# Altium PCB LTC3829_EVB.PcbDoc (continued)
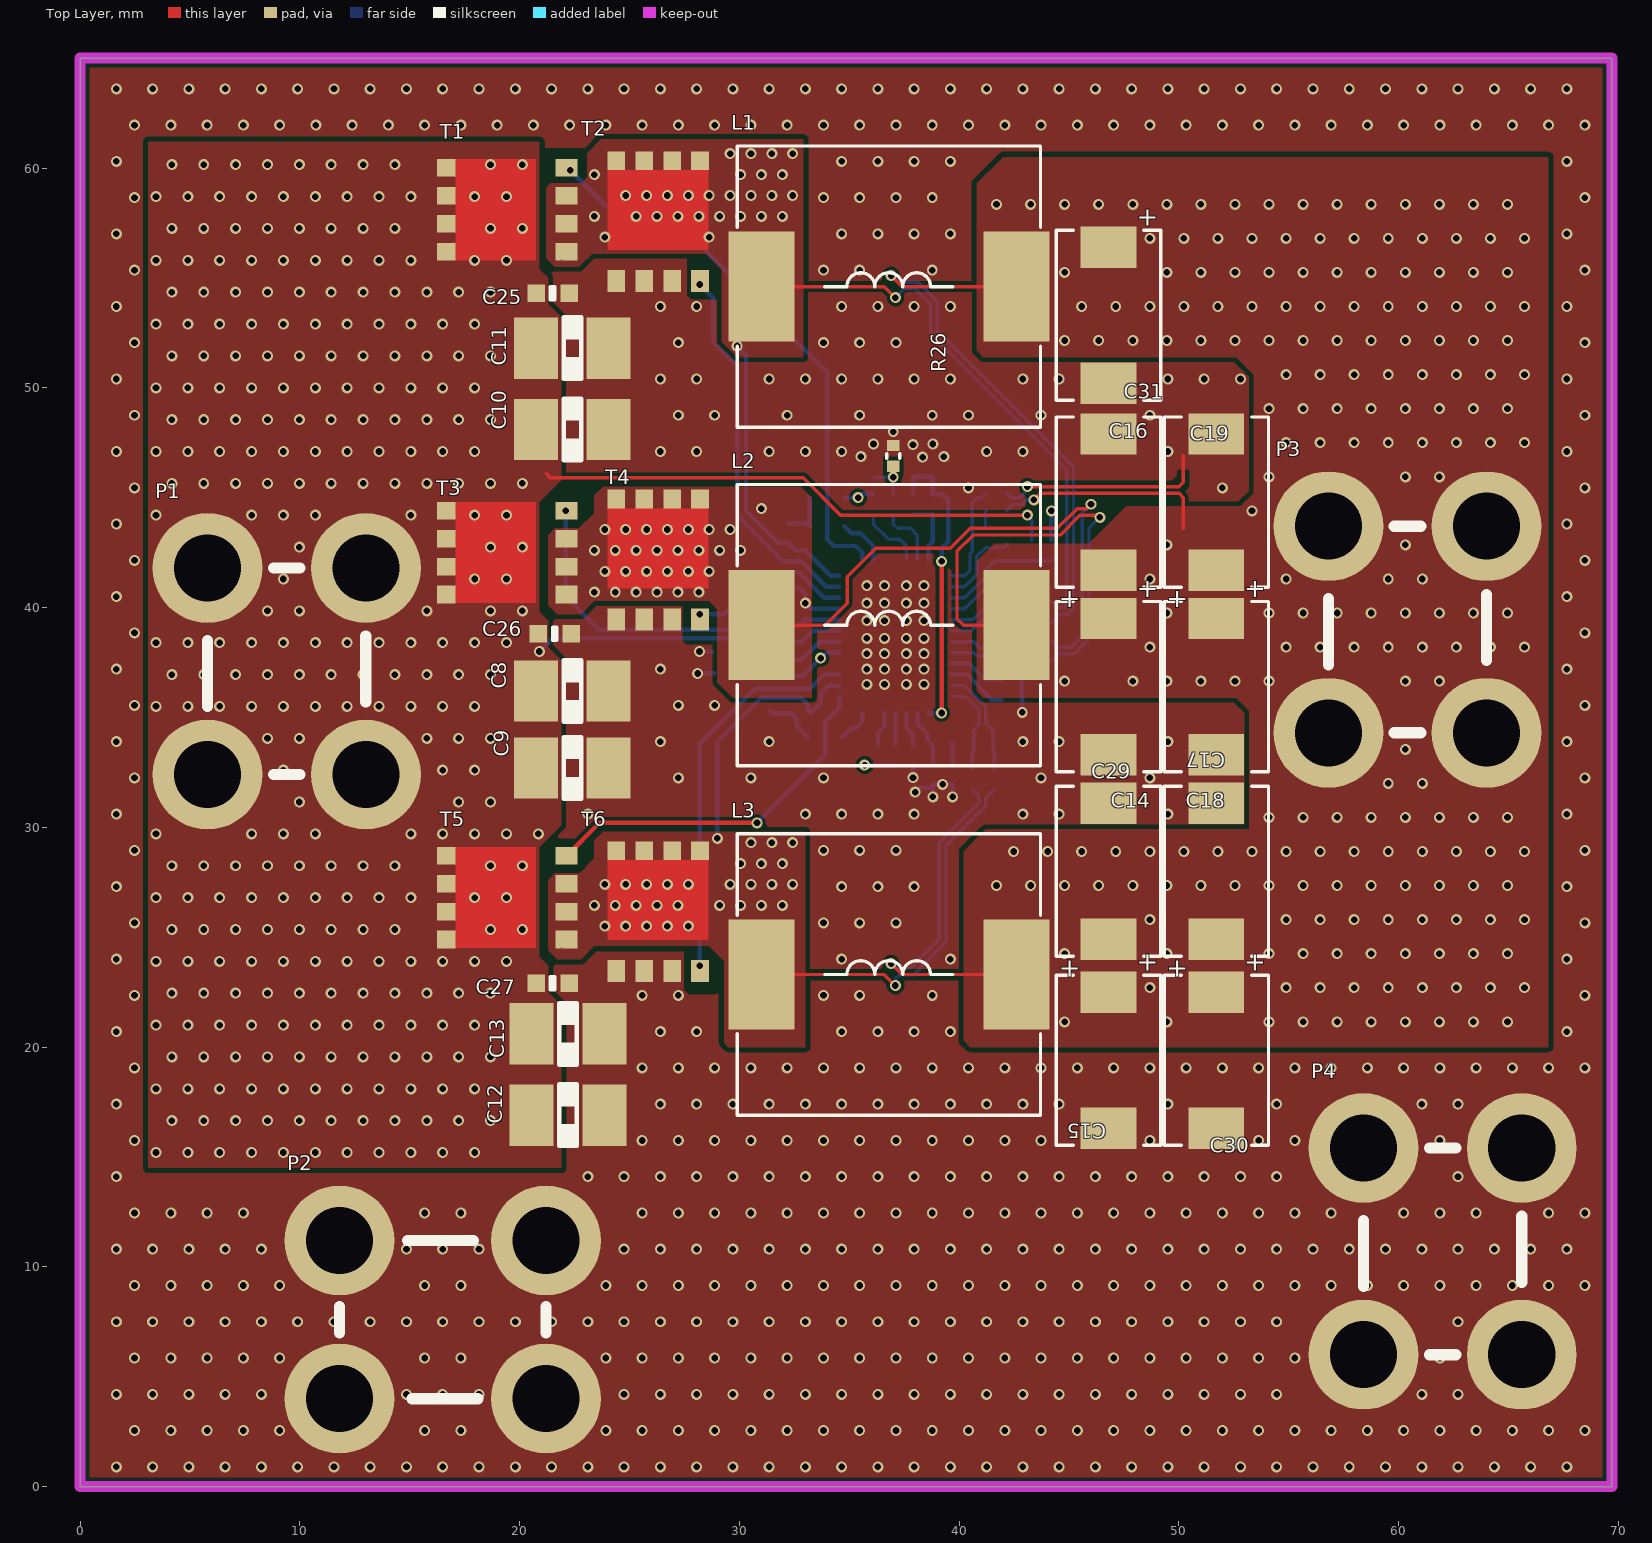
[diagram p0: Top Layer view]
## Components (designator, comment, footprint, x,y, rotation, side; value= is the part's Value field where it differs from the comment)
C1 "10uF" C0603 29.6,37 r180 bottom
C2 "33nF" 0402#1 41.5,39.8 r270 bottom
C3 "100nF" 0402#1 32.2,43.4 r90 bottom
C4 "100nF" 0402#1 32,40.9 r180 bottom
C5 "100nF" 0402#1 32.8,35.2 r180 bottom
C6 "33nF" 0402#1 41.5,38 r270 bottom
C7 "33nF" 0402#1 41.1,33.5 r180 bottom
C8 "10uF" 1210 22.4,36.2 r180 top
C9 "10uF" 1210 22.4,32.7 r180 top
C10 "10uF" 1210 22.4,48.1 r180 top
C11 "10uF" 1210 22.4,51.8 r180 top
C12 "10uF" 1210 22.2,16.9 r180 top
C13 "10uF" 1210 22.2,20.6 r180 top
C14 "330uF" TAJD_AVX 46.8,28 r90 top
C15 "330uF" TAJD_AVX 46.8,19.4 r270 top
C16 "330uF" TAJD_AVX 46.8,44.8 r90 top
C17 "330uF" TAJD_AVX 51.7,36.4 r270 top
C18 "330uF" TAJD_AVX 51.7,28 r90 top
C19 "330uF" TAJD_AVX 51.7,44.8 r90 top
C20 "47pF" 0402#1 37.9,46.4 r270 bottom
C21 "47pF" 0402#1 38.8,44.7 r90 bottom
C22 "3.3nF" 0402#1 39.7,32.4 r90 bottom
C23 "270pF" 0402#1 38.8,32.4 r90 bottom
C24 "33nF" 0402#1 42.4,36.7 r180 bottom
C25 "100nF" C0603 21.5,54.3 r180 top
C26 "100nF" C0603 21.6,38.8 r180 top
C27 "100nF" C0603 21.5,22.9 r180 top
C28 "100nF" 0402#1 29.2,38 r0 bottom
C29 "330uF" TAJD_AVX 46.8,36.4 r270 top
C30 "330uF" TAJD_AVX 51.7,19.4 r270 top
C31 "330uF" TAJD_AVX 46.8,53.3 r270 top
D1 "BAS516" SOD-523 34,45 r0 bottom
D2 "BAS516" SOD-523 30.6,38.8 r270 bottom
D3 "BAS516" SOD-523 31.4,36.1 r90 bottom
L1 "1.0uH" L126X 36.8,54.6 r180 top
L2 "1.0uH" L126X 36.8,39.2 r180 top
L3 "1.0uH" L126X 36.8,23.3 r180 top
P1 "M4_CON" PCBComponent_1 9.4,37.1 r0 top
P2 "M4_CON" PCBComponent_1 16.5,7.6 r90 top
P3 "M4_CON" PCBComponent_1 60.4,39 r0 top
P4 "M4_CON" PCBComponent_1 62,10.7 r180 top
R1 "0R" 0402#2 43.7,40.3 r0 bottom
R2 "0R" 0402#2 42.4,39.8 r90 bottom
R3 "0R" 0603 34,43.7 r180 bottom
R4 "0R" 0603 32.1,39.2 r90 bottom
R5 "0R" 0603 33.9,34.1 r180 bottom
R6 "0R" 0402#2 43.7,38.5 r0 bottom
R7 "0R" 0402#2 42.4,38 r90 bottom
R8 "0R" 0402#2 41.6,32.2 r270 bottom
R9 "0R" 0402#2 41.1,34.4 r0 bottom
R10 "54k9" 0402#2 43.3,42.6 r90 bottom
R11 "54k9" 0402#2 44.2,42.6 r90 bottom
R12 "5k1" 0402#2 38.8,46.4 r270 bottom
R13 "54k9" 0402#2 37.1,33.3 r270 bottom
R14 "33k2" 0402#2 37.9,44.7 r90 bottom
R15 "54k9" 0402#2 42.4,35.8 r0 bottom
R16 "54k9" 0402#2 36.1,44.7 r90 bottom
R17 "2k32" 0402#2 39.2,33.8 r180 bottom
R18 "40k2" 0402#2 37.9,33.3 r90 bottom
R19 "10R" 0402#2 41.7,45.2 r180 bottom
R20 "10R" 0402#2 41.7,44.4 r180 bottom
R21 "0R" 0402#2 41.2,43.2 r270 bottom
R22 "10R" 0603 42.2,42.1 r270 bottom
R23 "100k" 0402#2 36.3,33.3 r270 bottom
R24 "20k" 0402#2 37,44.7 r270 bottom
R25 "49k9" 0402#2 36.1,46.4 r270 bottom
R26 "100k" 0402#2 37,46.9 r270 top
R27 "0R" 0402#2 43.7,39.3 r0 bottom
R28 "0R" 0402#2 43.7,37.5 r0 bottom
R29 "0R" 0402#2 40.6,32.2 r270 bottom
T1 "BSC034N06NS" PQFNWB5x6 19.4,58.1 r180 top
T2 "BSC034N06NS" PQFNWB5x6 26.3,57.6 r90 top
T3 "BSC034N06NS" PQFNWB5x6 19.4,42.5 r180 top
T4 "BSC034N06NS" PQFNWB5x6 26.3,42.2 r90 top
T5 "BSC034N06NS" PQFNWB5x6 19.4,26.8 r180 top
T6 "BSC034N06NS" PQFNWB5x6 26.3,26.2 r90 top
U1 "LTC3829" QFN-38 37.1,38.7 r180 bottom locked

## Footprints (in the part's own frame and the unit in brackets; to place one, negate y for a bottom-side part, rotate by r counter-clockwise, add the part's x,y. Pads: shape width x height; smd on the part's side, far side on the other; paste and mask are expansions set on the pad)
0402#1 [mil]
  rect 22x22 smd: 1(-17.5,0) 2(17.5,0)
  silkscreen extent 0,-8 0,8, body extent -20,-10 20,10, height 20
0402#2 [mil]
  rect 20x22 smd: 1(-18.5,0) 2(18.5,0)
  silkscreen extent -4,-12 4,12, body extent -20,-10 20,10, height 14
0603 [mm]
  rect 0.87x0.93 smd: 1(-0.78,0) 2(0.78,0)
  silkscreen extent -0.2,-0.4 0.2,0.4, body extent -0.85,-0.4 0.85,0.4, height 0.56
1210 [mil]
  rect 78.74x110 smd paste+0 mask+0: 1(-65,0) 2(65,0)
  silkscreen extent -16,-55 16,55, body extent -73,-55 73,55, height 110
C0603 [mm]
  rect 0.8x0.8 smd: 1(-0.75,0) 2(0.75,0)
  silkscreen extent -0.1,-0.3 0.1,0.3, body extent -0.8,-0.4 0.8,0.4, height 0.81
L126X [mm]
  rect 3x5 smd: 1(-5.8,0) 2(5.8,0)
  silkscreen extent -6.9,-6.4 6.9,6.4, body extent -6.44,-6.25 6.46,6.25, height 6.4
PCBComponent_1 [mm]
  round 5 hole 3.05: 1(-3.6,-4.7) 1(-3.6,4.7) 1(3.6,-4.7) 1(3.6,4.7)
  silkscreen extent -3.6,-4.7 3.6,4.7
PQFNWB5x6 [mm]
  rect 1x0.8 smd: 1(-2.738,1.905) 2(-2.738,0.635) 3(-2.738,-0.635) 4(-2.738,-1.905)
  rect 0.85x0.8 smd: 5(2.738,-1.905) 6(2.738,-0.635) 7(2.738,0.635) 8(2.738,1.905)
  Top Layer region: 2.454,2.3 2.2,2.3 2.2,1.5 2.454,1.5
  Top Layer region: -1.338,-2.3 2.312,-2.3 2.312,2.3 -1.338,2.3
  Top Layer region: 2.2,0.235 2.454,0.235 2.454,1.035 2.2,1.035
  Top Layer region: 2.2,-1.035 2.454,-1.035 2.454,-0.235 2.2,-0.235
  Top Layer region: 2.2,-2.3 2.454,-2.3 2.454,-1.5 2.2,-1.5
  Top Layer region: -0.564,-1.166 -0.564,-1.166 -0.564,-1.166 -0.564,-1.166 -0.564,-1.166 -0.564,-1.166 -0.564,-1.166 -0.564,-1.166
  Top Layer region: -0.564,1.166 -0.564,1.166 -0.564,1.166 -0.564,1.166 -0.564,1.166 -0.564,1.166 -0.564,1.166 -0.564,1.166
  body extent -3.07,-2.57 3.08,2.58, height 1
QFN-38 [mm]
  rrect50% 0.95x0.25 smd: 1(-2.55,2.75) 2(-2.55,2.25) 3(-2.55,1.75) 4(-2.55,1.25) 5(-2.55,0.75) 6(-2.55,0.25) 7(-2.55,-0.25) 8(-2.55,-0.75) 9(-2.55,-1.25) 10(-2.55,-1.75) 11(-2.55,-2.25) 12(-2.55,-2.75) 20(2.55,-2.75) 21(2.55,-2.25) 22(2.55,-1.75) 23(2.55,-1.25) 24(2.55,-0.75) 25(2.55,-0.25) 26(2.55,0.25) 27(2.55,0.75) 28(2.55,1.25) 29(2.55,1.75) 30(2.55,2.25) 31(2.55,2.75)
  rrect50% 0.25x0.95 smd: 13(-1.5,-3.5) 14(-1,-3.5) 15(-0.5,-3.5) 16(0,-3.5) 17(0.5,-3.5) 18(1,-3.5) 19(1.5,-3.5) 32(1.5,3.5) 33(1,3.5) 34(0.5,3.5) 35(0,3.5) 36(-0.5,3.5) 37(-1,3.5) 38(-1.5,3.5)
  rrect15% 3.25x5.25 smd: 39(0,0)
  silkscreen extent -3.36,-3.6 3.36,3.6, body extent -2.55,-3.55 2.55,3.55, height 0.8
SOD-523 [mm]
  rect 0.7x0.5 smd: 1(-0.8,0) 2(0.8,0)
  silkscreen extent -0.19,-0.38 0.19,0.38, body extent -0.91,-0.42 0.92,0.42, height 0.71
TAJD_AVX [mm]
  rect 1.88x2.54 smd paste+0 mask+0: 1(-3.1,0) 2(3.1,0)
  silkscreen extent -3.87,-2.37 3.87,2.37, body extent -3.75,-2.25 3.75,2.25, height 3.15

## Part data
C1: library part OUDEIBUN_10uF_25V, "OUDEIBUN / 25V 10% 106K X5R", Mfr.=OUDEIBUN, Mfr. No=106, ComponentLink1Description=taobao, ComponentLink1URL=https://detail.tmall.com/item.htm?abbucket=11&id=610884231672&rn=bfecce7903ee26d41e055cbdf2d2e6eb&skuId=4463564134688&spm=a1z10.3-b.w4011-22147617817.28.ed547d1efUUngR, Price=0.1
C2 C6 C7 C24: library part OBEIDUN_33nF, "0402 33nF 333K 16V X7R", Mfr.=OBEIDUN, Mfr. No=333K, ComponentLink1Description=taobao, ComponentLink1URL=https://detail.tmall.com/item.htm?abbucket=11&id=610643367827&rn=485ffb871bba3336ec56bdf6e40ebf1b&skuId=4293224337085&spm=a1z10.3-b.w4011-22147617817.69.91e77d1e9KkI7E, Price=0.03
C3 C4 C5 C28: library part OBEIDUN_100nF, "0402 100NF 104K  50V X7R", Mfr.=OBEIDUN, Mfr. No=104K, ComponentLink1Description=taobao, ComponentLink1URL=https://detail.tmall.com/item.htm?abbucket=11&id=610169377419&rn=af8cc3c313be083494688299e412f071&skuId=4460562122099&spm=a1z10.3-b.w4011-22147617817.47.43b27d1eVfSLTc, Price=0.03
C8 C9 C10 C11 C12 C13: library part OUBEIDUN_106_X7R, "1210 10UF 106K 100V X7R", Mfr.=OUBEIDUN, Mfr. No=10uF/100V, ComponentLink1Description=taobao, ComponentLink1URL=https://detail.tmall.com/item.htm?_u=q10quk0k91e6&id=610720536810&spm=a1z09.2.0.0.680e2e8dgSrizI&skuId=4470822090146, Price=0.6
C14 C15 C16 C17 C18 C19 C29 C30 C31: library part Auwah_330UF_7343, "T520D337M006ATE010 / 6.3V 330uF 2917 20% ESR=10mOhms", Mfr.=Auwah, Mfr. No=T520D337M006ATE010, ComponentLink1Description=taobao, ComponentLink1URL=https://detail.tmall.com/item.htm?abbucket=13&id=667191138815&rn=40b330837969952154e49a258f1b3980&spm=a1z10.3-b-s.w4011-22886786001.43.16db5d54uS0uXf, Price=1.8
C20 C21: library part taobao_47pF, "47pF 50V C0G CL05C470JB5NN4C", Mfr.=Samsung, Mfr. No=CL05C470JB5NN4C, ComponentLink1Description=taobao, ComponentLink1URL=https://item.taobao.com/item.htm?spm=a1z09.2.0.0.10c82e8dL5BzWq&id=626312006030&_u=l10quk0kec5b, Price=0.03
C22: library part RAINPOLE_3n3F, "RAINPOLE 0402 3.3nF 5% 50V NPO", Mfr.=RAINPOLE, Mfr. No=332J, ComponentLink1Description=taobao, ComponentLink1URL=https://detail.tmall.com/item.htm?abbucket=11&id=577480004200&rn=e81fc7a7675914d6e9f82eba46a12cbb&skuId=3986690931936&spm=a1z10.3-b-s.w4011-12364813249.37.6d9c1ed6XWLE9d, Price=0.04
C23: library part OBEIDUN_270pF, "0402 270PF 50V 271J COG NPO", Mfr.=OBEIDUN, Mfr. No=271J, ComponentLink1Description=taobao, ComponentLink1URL=https://detail.tmall.com/item.htm?_u=i10quk0k236b&id=609326685150&spm=a1z09.2.0.0.485e2e8ddN1cee, Price=0.02
C25 C26 C27: library part OUDEIBUN_100nF, "0603 100NF 50V 10% 104K X7R", Mfr.=OUDEIBUN, Mfr. No=104K, ComponentLink1Description=taobao, ComponentLink1URL=https://detail.tmall.com/item.htm?_u=p10quk0k2f35&id=610651934672&spm=a1z09.2.0.0.77b12e8d9iVia0&skuId=4463522550238, Price=0.025
D1 D2 D3: library part OBEIDUN_BAS516, "SOD-523 100V/250mA", Mfr.=OBEIDUN, Mfr. No=BAS516,61, ComponentLink1Description=taobao, ComponentLink1URL=https://detail.tmall.com/item.htm?abbucket=11&id=627344864030&rn=9e03fb0dc0c82be40d648479edaa9265&skuId=4457291933929&spm=a1z10.3-b.w4011-22147617817.46.572e7d1eRfO8kn, Price=0.14
L1 L2 L3: library part L1260_102, "HC1260 1R0M", Mfr.=HuiCi, Mfr. No=EPC1265_1R0, ComponentLink1Description=taobao, ComponentLink1URL=https://item.taobao.com/item.htm?id=727903070323&spm=a1z0d.6639537/tb.1997196601.22.15e27484tAONUM&skuId=5218005750787, Price=1.4
P1 P2 P3 P4: Mfr.=LFX, Mfr. No=PCB-10-4, ComponentLink1Description=taobao, ComponentLink1URL=https://item.taobao.com/item.htm?spm=a1z09.2.0.0.45712e8dxvwLo5&id=531030902005&_u=s10quk0k994a, Price=0.41
R1 R2 R6 R7 R8 R9 R21 R27 R28 R29: library part OUDEIBUN_0R, "OUDEIBUN / 0R 1% 1/16W", Mfr.=OUDEIBUN, ComponentLink1Description=taobao, ComponentLink1URL=https://detail.tmall.com/item.htm?abbucket=11&id=609078082053&rn=dd22835191e181ef543cf6f0827e8de3&spm=a1z10.3-b.w4011-22147617817.40.1e787d1eBkSpf5&skuId=4447040574382, Mfr. No=0R, Price=0.02
R3 R4 R5: "0R 1/10W +/-1%", Mfr.=UNIOHM, ComponentLink1Description=taobao, ComponentLink1URL=https://item.taobao.com/item.htm?spm=a1z10.3-c-s.w4002-24706531953.10.66736a4boyPN1N&id=584519288165, Mfr. No=0R, Price=0.016
R10 R11 R13 R15 R16: library part OUDEIBUN_54k9, "OUDEIBUN / 54k9 1% 1/16W", Mfr.=OUDEIBUN, ComponentLink1Description=taobao, ComponentLink1URL=https://detail.tmall.com/item.htm?_u=o10quk0kdcf3&id=656225085848&spm=a1z09.2.0.0.570c2e8dmKgpe8&skuId=4738665253533, Mfr. No=54k9, Price=0.02
R12: library part UNIOHM_5k1, "UNIOHM / 5k1 1% 1/16W", Mfr.=UNIOHM, ComponentLink1Description=taobao, ComponentLink1URL=https://item.taobao.com/item.htm?spm=a1z10.3-c-s.w4002-24706531953.9.138b6a4bJ0dszP&id=525568819310, Mfr. No=5k1, Price=0.012
R14: library part OUDEIBUN_33k2, "OUDEIBUN / 33k2 1% 1/16W", Mfr.=OUDEIBUN, ComponentLink1Description=taobao, ComponentLink1URL=https://detail.tmall.com/item.htm?_u=o10quk0kba15&id=656995123026&skuId=4912165283327&spm=a1z09.2.0.0.570c2e8dmKgpe8, Mfr. No=33k2, Price=0.02
R17: library part OUDEIBUN_2k32, "OUDEIBUN / 1% 2k32", Mfr.=OUDEIBUN, ComponentLink1Description=taobao, ComponentLink1URL=https://detail.tmall.com/item.htm?abbucket=11&id=656536146329&rn=bf53b30befa5ed8f787b08dfd1b2b8b6&spm=a1z10.3-b.w4011-22147617817.17.25bf7d1eVTNJfJ&skuId=4738244393253, Mfr. No=2k32, Price=0.02
R18: library part UNIOHM_40k2, "UNIOHM / 40k2 1% 1/16W", Mfr.=UNIOHM, ComponentLink1Description=taobao, ComponentLink1URL=https://item.taobao.com/item.htm?spm=a1z10.3-c-s.w4002-24706531953.9.4cff6a4bFcr7uh&id=525646732568, Mfr. No=40k2, Price=0.012
R19 R20: library part OUDEIBUN_10R, "OUDEIBUN / 10R 1% 1/16W", Mfr.=OUDEIBUN, ComponentLink1Description=taobao, ComponentLink1URL=https://detail.tmall.com/item.htm?abbucket=13&id=609079314556&rn=b6a4437db4d3682110499690578ce2c9&spm=a1z10.3-b.w4011-22147617817.60.4da17d1eMkQQ60&skuId=4279701997786, Mfr. No=10R, Price=0.02
R22: library part ARG03DTC0100, "10R 1/10W +/-0.5%", Mfr.=Viking, ComponentLink1Description=taobao, ComponentLink1URL=https://item.taobao.com/item.htm?spm=a1z09.2.0.0.6e162e8dlKCeMq&id=632526730087&_u=c10quk0k836f, Mfr. No=ARG03DTC0100, Price=0.044
R23 R26: library part OUDEIBUN_100k, "OUDEIBUN / 1% 100k", Mfr.=UNIOHM, ComponentLink1Description=taobao, ComponentLink1URL=https://detail.tmall.com/item.htm?abbucket=11&id=608928061564&rn=6cabffb4bef601fc6d0198b0cb480a08&spm=a1z10.3-b.w4011-22147617817.51.20d47d1eFEZrXW&skuId=4280827589222, Mfr. No=100k, Price=0.02
R24: library part OUDEIBUN_20k, "OUDEIBUN / 20k 1% 1/16W", Mfr.=OUDEIBUN, ComponentLink1Description=taobao, ComponentLink1URL=https://detail.tmall.com/item.htm?_u=310quk0k3cbb&id=656218957556&skuId=4912158475127&spm=a1z09.2.0.0.d5442e8dvaKsoM, Mfr. No=20k, Price=0.02
R25: library part OUDEIBUN_49k9, "OUDEIBUN / 1% 49k9", Mfr.=OUDEIBUN, ComponentLink1Description=taobao, ComponentLink1URL=https://detail.tmall.com/item.htm?id=656225085848&spm=a1z0d.6639537/tb.1997196601.28.44b47484EuWcRC&skuId=4738665253528, Mfr. No=49k9, Price=0.02
T1 T2 T3 T4 T5 T6: "MPower Transistor, 60V", Mfr.="Infineon Technologies", ComponentLink1Description=taobao, ComponentLink1URL=https://detail.tmall.com/item.htm?abbucket=12&id=712516353118&ns=1&spm=a21n57.1.0.0.5a70523ceCAuo0&skuId=4992670365636, Mfr. No=BSC034N06NS, Price=4.5
U1: library part LTC3829EUHFPBF, "3-Phase, Single Output Synchronous / Step-Down DC/DC Controller with Diffamp", Mfr.="Analog Devices Inc", ComponentLink1Description=taobao, ComponentLink1URL=https://item.taobao.com/item.htm?id=679551160665&spm=a1z0d.6639537/tb.1997196601.14.6d377484hToNF8&sku_properties=1627207:426840251, Mfr. No=LTC3829, Price=24

## Via types
v1: diameter 0.5, hole 0.3, Top Layer to Bottom Layer, tented both sides, 1247 vias

## Nets (pads, with @x,y where several pads share a name; then routed paths per layer and width w, separated by ;. In a path a pad name is that pad's centre, name@x,y a point inside that pad or via, vN(x,y) a via of type N, cw(c..) or ccw(c..) an arc to the next point about the centre after c; other vN are vias at no path point)
INTVCC: C1.1 C28.2 D1.2 D2.2 D3.2 R13.2 R16.2 R23.2 U1.24 | length 22.9
  Layer 2 w0.203: v1(35.4,45) 33.7,43.3 v1(33.7,37.7) 33.7,34.83 v1(35.7,32.83)
  Bottom Layer w0.203: C28.2 D2.2 30.6,37.05 30.45,36.9 D3.2 ; D3.2@31.6,36.9 32.9,36.9 v1(33.7,37.7) 33.95,37.95 U1.24 ; D1.2 v1(35.4,45) 35.57,45.17 R16.2 ; v1(35.7,32.83) R23.2 R13.2
IS1+: C2.1 R1.1 R2.2 U1.5 | length 3.9
  Bottom Layer w0.152: U1.5 40.619,39.45 41.413,40.245 C2.1 42.375,40.245 R2.2 43.2,40.27 R1.1
IS1-: C2.2 R2.1 R27.1 U1.6 | length 3.9
  Bottom Layer w0.152: U1.6 40.55,38.95 41.1,39.5 41.356,39.5 C2.2 42.375,39.356 R2.1 43.2,39.33 R27.1
IS2+: C6.1 R6.1 R7.2 U1.7 | length 3.8
  Bottom Layer w0.152: U1.7 40.653,38.45 40.947,38.156 41.211,38.156 C6.1 42.375,38.445 R7.2 43.2,38.47 R6.1
IS2-: C6.2 R7.1 R28.1 U1.8 | length 3.8
  Bottom Layer w0.152: U1.8 40.65,37.95 40.8,37.8 41.256,37.8 C6.2 42.375,37.556 R7.1 43.2,37.53 R28.1
IS3+: C7.1 R8.1 R9.2 U1.11 | length 5
  Bottom Layer w0.152: U1.11 40.25,36.45 41.205,35.495 41.205,34.765 R9.2 41.544,34.375 C7.1 41.6,33.445 R8.1
IS3-: C7.2 R9.1 R29.1 U1.12 | length 4.3
  Bottom Layer w0.152: U1.12 40.319,35.95 40.9,35.369 40.9,34.67 R9.1 40.655,34.375 C7.2 40.6,33.445 R29.1
LPO+: C14.1 C15.1 C16.1 C17.1 C18.1 C19.1 C29.1 C30.1 C31.1 L1.1 L2.1 L3.1 P3.1 R20.1 R27.2 R28.2 R29.2 | length 73.6
  Top Layer w0.152: v1(36.9,23.8) 37.4,23.3 L3.1 ; v1(36.9,55.1) 37.4,54.6 L1.1 ; L2.1 40.2,39.2 39.9,39.5 39.9,42.569 40.631,43.3 44.6,43.3 45.495,44.195 46.305,44.195 v1(46.4,44.1) ; v1(43.4,44.9) 43.695,45.195 50.005,45.195 50.2,45 50.2,43.6
  Bottom Layer w0.152: v1(36.9,23.8) 37.1,23.6 37.8,23.6 39.095,24.895 39.095,29.295 40.9,31.1 40.9,31.43 R29.2 ; v1(36.9,55.1) 37.2,54.8 38.131,54.8 39.005,53.926 39.005,52.595 45.205,46.395 45.205,39.974 44.926,39.695 44.565,39.695 R27.2 ; R20.1 42.462,44.692 42.873,44.692 43.081,44.9 v1(43.4,44.9) ; R28.2 44.565,37.895 45.226,37.895 45.905,38.574 45.905,43.605 v1(46.4,44.1)
  other v1: 44.8,21.15 49.45,21.15 54.1,21.15 55.65,21.15 57.2,21.15 58.75,21.15 60.3,21.15 61.85,21.15 63.4,21.15 64.95,21.15 48.675,22.7 54.875,22.7 56.425,22.7 57.975,22.7 59.525,22.7 61.075,22.7 62.625,22.7 64.175,22.7 65.725,22.7 44.8,24.25 49.45,24.25 54.1,24.25 55.65,24.25 57.2,24.25 58.75,24.25 60.3,24.25 61.85,24.25 63.4,24.25 64.95,24.25 48.675,25.8 54.875,25.8 56.425,25.8 57.975,25.8 59.525,25.8 61.075,25.8 62.625,25.8 64.175,25.8 65.725,25.8 41.7,27.35 43.25,27.35 44.8,27.35 46.35,27.35 47.9,27.35 49.45,27.35 51,27.35 52.55,27.35 54.1,27.35 55.65,27.35 57.2,27.35 58.75,27.35 60.3,27.35 61.85,27.35 63.4,27.35 64.95,27.35 42.475,28.9 44.025,28.9 45.575,28.9 47.125,28.9 48.675,28.9 50.225,28.9 51.775,28.9 53.325,28.9 54.875,28.9 56.425,28.9 57.975,28.9 59.525,28.9 61.075,28.9 62.625,28.9 64.175,28.9 65.725,28.9 54.1,30.45 55.65,30.45 57.2,30.45 58.75,30.45 60.3,30.45 61.85,30.45 63.4,30.45 64.95,30.45 59.525,32 61.075,32 60.3,33.55 44.8,36.65 47.9,36.65 49.45,36.65 51,36.65 52.55,36.65 54.1,36.65 60.3,36.65 61.85,36.65 48.675,38.2 54.875,38.2 56.425,38.2 57.975,38.2 59.525,38.2 61.075,38.2 62.625,38.2 64.175,38.2 65.725,38.2 49.45,39.75 54.1,39.75 55.65,39.75 57.2,39.75 58.75,39.75 60.3,39.75 61.85,39.75 63.4,39.75 64.95,39.75 48.675,41.3 54.875,41.3 59.525,41.3 61.075,41.3 49.45,42.85 60.3,42.85 53.325,44.4 54.1,45.95 60.3,45.95 61.85,45.95 54.875,47.5 56.425,47.5 57.975,47.5 59.525,47.5 61.075,47.5 62.625,47.5 64.175,47.5 65.725,47.5 54.1,49.05 55.65,49.05 57.2,49.05 58.75,49.05 60.3,49.05 61.85,49.05 63.4,49.05 64.95,49.05 54.875,50.6 56.425,50.6 57.975,50.6 59.525,50.6 61.075,50.6 62.625,50.6 64.175,50.6 65.725,50.6 44.8,52.15 46.35,52.15 47.9,52.15 49.45,52.15 51,52.15 52.55,52.15 54.1,52.15 55.65,52.15 57.2,52.15 58.75,52.15 60.3,52.15 61.85,52.15 63.4,52.15 64.95,52.15 45.575,53.7 47.125,53.7 48.675,53.7 50.225,53.7 51.775,53.7 53.325,53.7 54.875,53.7 56.425,53.7 57.975,53.7 59.525,53.7 61.075,53.7 62.625,53.7 64.175,53.7 65.725,53.7 44.8,55.25 49.45,55.25 51,55.25 52.55,55.25 54.1,55.25 55.65,55.25 57.2,55.25 58.75,55.25 60.3,55.25 61.85,55.25 63.4,55.25 64.95,55.25 48.675,56.8 50.225,56.8 51.775,56.8 53.325,56.8 54.875,56.8 56.425,56.8 57.975,56.8 59.525,56.8 61.075,56.8 62.625,56.8 64.175,56.8 65.725,56.8 41.7,58.35 43.25,58.35 44.8,58.35 46.35,58.35 47.9,58.35 49.45,58.35 51,58.35 52.55,58.35 54.1,58.35 55.65,58.35 57.2,58.35 58.75,58.35 60.3,58.35 61.85,58.35 63.4,58.35 64.95,58.35
LPO-: C1.2 C8.1 C9.1 C10.1 C11.1 C12.1 C13.1 C14.2 C15.2 C16.2 C17.2 C18.2 C19.2 C20.1 C22.1 C23.1 C24.1 C25.1 C26.1 C27.1 C28.1 C29.2 C30.2 C31.2 P2.1 P4.1 R11.2 R12.1 R15.2 R18.1 R19.1 R25.1 R26.1 T2.1 T2.2 T2.3 T4.1 T4.2 T4.3 T6.1 T6.2 T6.3 U1.39 | length 17.4
  Top Layer w0.152: v1(43.1,45.5) 50,45.5 50.2,45.7 50.2,46.9
  Bottom Layer w0.152: R19.1 42.37,45 42.75,45 43.1,45.35 v1(43.1,45.5)
  Bottom Layer w0.203: v1(28.1,37) C1.2 ; v1(28.186,38) C28.1 ; v1(37.9,32.26) R18.1 ; v1(38,31.6) 38.2,31.8 38.644,31.8 C23.1 ; v1(38.8,31.386) C23.1 ; v1(39.7,31.386) C22.1 v1(39.25,31.956) C23.1 ; C24.1 42.845,35.825 R15.2 v1(42.87,35.23) ; R11.2 v1(44.2,44.4)
  other v1: 1.65,0.9 3.3,0.9 4.95,0.9 6.6,0.9 8.25,0.9 9.9,0.9 11.55,0.9 13.2,0.9 14.85,0.9 16.5,0.9 18.15,0.9 19.8,0.9 21.45,0.9 23.1,0.9 24.75,0.9 26.4,0.9 28.05,0.9 29.7,0.9 31.35,0.9 33,0.9 34.65,0.9 36.3,0.9 37.95,0.9 39.6,0.9 41.25,0.9 42.9,0.9 44.55,0.9 46.2,0.9 47.85,0.9 49.5,0.9 51.15,0.9 52.8,0.9 54.45,0.9 56.1,0.9 57.75,0.9 59.4,0.9 61.05,0.9 62.7,0.9 64.35,0.9 66,0.9 67.65,0.9 2.475,2.55 4.125,2.55 5.775,2.55 7.425,2.55 9.075,2.55 15.675,2.55 17.325,2.55 23.925,2.55 25.575,2.55 27.225,2.55 28.875,2.55 30.525,2.55 32.175,2.55 33.825,2.55 35.475,2.55 37.125,2.55 38.775,2.55 40.425,2.55 42.075,2.55 43.725,2.55 45.375,2.55 47.025,2.55 48.675,2.55 50.325,2.55 51.975,2.55 53.625,2.55 55.275,2.55 56.925,2.55 58.575,2.55 60.225,2.55 61.875,2.55 63.525,2.55 65.175,2.55 66.825,2.55 68.475,2.55 1.65,4.2 3.3,4.2 4.95,4.2 6.6,4.2 8.25,4.2 14.85,4.2 16.5,4.2 18.15,4.2 24.75,4.2 26.4,4.2 28.05,4.2 29.7,4.2 31.35,4.2 33,4.2 34.65,4.2 36.3,4.2 37.95,4.2 39.6,4.2 41.25,4.2 42.9,4.2 44.55,4.2 46.2,4.2 47.85,4.2 49.5,4.2 51.15,4.2 52.8,4.2 54.45,4.2 61.05,4.2 62.7,4.2 2.475,5.85 4.125,5.85 5.775,5.85 7.425,5.85 9.075,5.85 15.675,5.85 17.325,5.85 23.925,5.85 25.575,5.85 27.225,5.85 28.875,5.85 30.525,5.85 32.175,5.85 33.825,5.85 35.475,5.85 37.125,5.85 38.775,5.85 40.425,5.85 42.075,5.85 43.725,5.85 45.375,5.85 47.025,5.85 48.675,5.85 50.325,5.85 51.975,5.85 53.625,5.85 55.275,5.85 61.875,5.85 1.65,7.5 3.3,7.5 4.95,7.5 6.6,7.5 8.25,7.5 9.9,7.5 11.55,7.5 13.2,7.5 14.85,7.5 16.5,7.5 18.15,7.5 19.8,7.5 21.45,7.5 23.1,7.5 24.75,7.5 26.4,7.5 28.05,7.5 29.7,7.5 31.35,7.5 33,7.5 34.65,7.5 36.3,7.5 37.95,7.5 39.6,7.5 41.25,7.5 42.9,7.5 44.55,7.5 46.2,7.5 47.85,7.5 49.5,7.5 51.15,7.5 52.8,7.5 54.45,7.5 62.7,7.5 2.475,9.15 4.125,9.15 5.775,9.15 7.425,9.15 9.075,9.15 15.675,9.15 17.325,9.15 23.925,9.15 25.575,9.15 27.225,9.15 28.875,9.15 30.525,9.15 32.175,9.15 33.825,9.15 35.475,9.15 37.125,9.15 38.775,9.15 40.425,9.15 42.075,9.15 43.725,9.15 45.375,9.15 47.025,9.15 48.675,9.15 50.325,9.15 51.975,9.15 53.625,9.15 55.275,9.15 56.925,9.15 58.575,9.15 60.225,9.15 61.875,9.15 63.525,9.15 65.175,9.15 66.825,9.15 68.475,9.15 1.65,10.8 3.3,10.8 4.95,10.8 6.6,10.8 8.25,10.8 14.85,10.8 16.5,10.8 18.15,10.8 24.75,10.8 26.4,10.8 28.05,10.8 29.7,10.8 31.35,10.8 33,10.8 34.65,10.8 36.3,10.8 37.95,10.8 39.6,10.8 41.25,10.8 42.9,10.8 44.55,10.8 46.2,10.8 47.85,10.8 49.5,10.8 51.15,10.8 52.8,10.8 54.45,10.8 56.1,10.8 57.75,10.8 59.4,10.8 61.05,10.8 62.7,10.8 64.35,10.8 66,10.8 67.65,10.8 2.475,12.45 4.125,12.45 5.775,12.45 7.425,12.45 15.675,12.45 17.325,12.45 25.575,12.45 27.225,12.45 28.875,12.45 30.525,12.45 32.175,12.45 33.825,12.45 35.475,12.45 37.125,12.45 38.775,12.45 40.425,12.45 42.075,12.45 43.725,12.45 45.375,12.45 47.025,12.45 48.675,12.45 50.325,12.45 51.975,12.45 53.625,12.45 55.275,12.45 56.925,12.45 60.225,12.45 61.875,12.45 63.525,12.45 66.825,12.45 68.475,12.45 1.65,14.1 23.1,14.1 24.75,14.1 26.4,14.1 28.05,14.1 29.7,14.1 31.35,14.1 33,14.1 34.65,14.1 36.3,14.1 37.95,14.1 39.6,14.1 41.25,14.1 42.9,14.1 44.55,14.1 46.2,14.1 47.85,14.1 49.5,14.1 51.15,14.1 52.8,14.1 54.45,14.1 62.7,14.1 2.475,15.75 25.575,15.75 27.225,15.75 28.875,15.75 30.525,15.75 32.175,15.75 33.825,15.75 35.475,15.75 37.125,15.75 38.775,15.75 40.425,15.75 42.075,15.75 43.725,15.75 48.675,15.75 53.625,15.75 55.275,15.75 61.875,15.75 1.65,17.4 26.4,17.4 28.05,17.4 29.7,17.4 31.35,17.4 33,17.4 34.65,17.4 36.3,17.4 37.95,17.4 39.6,17.4 41.25,17.4 42.9,17.4 44.55,17.4 49.5,17.4 54.45,17.4 61.05,17.4 62.7,17.4 2.475,19.05 25.575,19.05 27.225,19.05 28.875,19.05 30.525,19.05 32.175,19.05 33.825,19.05 35.475,19.05 37.125,19.05 38.775,19.05 40.425,19.05 42.075,19.05 43.725,19.05 45.375,19.05 47.025,19.05 48.675,19.05 50.325,19.05 51.975,19.05 53.625,19.05 55.275,19.05 56.925,19.05 58.575,19.05 60.225,19.05 61.875,19.05 63.525,19.05 65.175,19.05 66.825,19.05 68.475,19.05 1.65,20.7 26.4,20.7 28.05,20.7 34.65,20.7 36.3,20.7 37.95,20.7 39.6,20.7 67.65,20.7 2.475,22.35 25.575,22.35 27.225,22.35 33.825,22.35 35.475,22.35 38.775,22.35 68.475,22.35 1.65,24 34.65,24 39.6,24 67.65,24 2.475,25.65 33.825,25.65 35.475,25.65 37.125,25.65 68.475,25.65 1.65,27.3 34.65,27.3 36.3,27.3 37.95,27.3 67.65,27.3 2.475,28.95 33.825,28.95 35.475,28.95 37.125,28.95 68.475,28.95 1.65,30.6 23.1,30.6 33,30.6 34.65,30.6 36.3,30.6 37.95,30.6 42.9,30.6 44.55,30.6 49.5,30.6 67.65,30.6 2.475,32.25 27.225,32.25 30.525,32.25 33.825,32.25 43.725,32.25 48.675,32.25 68.475,32.25 1.65,33.9 26.4,33.9 31.35,33.9 42.9,33.9 44.55,33.9 49.5,33.9 67.65,33.9 2.475,35.55 27.225,35.55 28.875,35.55 68.475,35.55 35.8,36.5 36.6,36.5 37.6,36.5 38.4,36.5 1.65,37.2 26.4,37.2 35.8,37.2 36.6,37.2 37.6,37.2 38.4,37.2 67.65,37.2 35.8,37.9 36.6,37.9 37.6,37.9 38.4,37.9 35.8,38.6 36.6,38.6 37.6,38.6 38.4,38.6 2.475,38.85 68.475,38.85 35.8,39.4 36.6,39.4 37.6,39.4 38.4,39.4 35.8,40.2 36.6,40.2 37.6,40.2 38.4,40.2 1.65,40.5 67.65,40.5 35.8,41 36.6,41 37.6,41 38.4,41 2.475,42.15 68.475,42.15 1.65,43.8 67.65,43.8 2.475,45.45 40.425,45.45 51.975,45.45 68.475,45.45 38.337,46.845 35.53,46.87 39.3,46.87 1.65,47.1 26.4,47.1 28.05,47.1 31.35,47.1 33,47.1 34.65,47.1 41.25,47.1 42.9,47.1 49.5,47.1 67.65,47.1 37.9,47.414 36.1,47.44 38.8,47.44 37,48 2.475,48.75 27.225,48.75 28.875,48.75 32.175,48.75 35.475,48.75 38.775,48.75 40.425,48.75 43.725,48.75 48.675,48.75 68.475,48.75 1.65,50.4 26.4,50.4 28.05,50.4 31.35,50.4 33,50.4 34.65,50.4 36.3,50.4 37.95,50.4 39.6,50.4 42.9,50.4 44.55,50.4 49.5,50.4 51.15,50.4 52.8,50.4 67.65,50.4 2.475,52.05 27.225,52.05 33.825,52.05 35.475,52.05 37.125,52.05 68.475,52.05 1.65,53.7 26.4,53.7 28.05,53.7 34.65,53.7 36.3,53.7 37.95,53.7 39.6,53.7 67.65,53.7 2.475,55.35 33.825,55.35 35.475,55.35 38.775,55.35 68.475,55.35 1.65,57 34.65,57 36.3,57 37.95,57 39.6,57 67.65,57 2.475,58.65 33.825,58.65 35.475,58.65 37.125,58.65 38.775,58.65 68.475,58.65 1.65,60.3 34.65,60.3 36.3,60.3 37.95,60.3 39.6,60.3 67.65,60.3 2.475,61.95 4.125,61.95 5.775,61.95 7.425,61.95 9.075,61.95 10.725,61.95 12.375,61.95 14.025,61.95 15.675,61.95 17.325,61.95 18.975,61.95 20.625,61.95 22.275,61.95 23.925,61.95 25.575,61.95 27.225,61.95 28.875,61.95 30.525,61.95 32.175,61.95 33.825,61.95 35.475,61.95 37.125,61.95 38.775,61.95 40.425,61.95 42.075,61.95 43.725,61.95 45.375,61.95 47.025,61.95 48.675,61.95 50.325,61.95 51.975,61.95 53.625,61.95 55.275,61.95 56.925,61.95 58.575,61.95 60.225,61.95 61.875,61.95 63.525,61.95 65.175,61.95 66.825,61.95 68.475,61.95 1.65,63.6 3.3,63.6 4.95,63.6 6.6,63.6 8.25,63.6 9.9,63.6 11.55,63.6 13.2,63.6 14.85,63.6 16.5,63.6 18.15,63.6 19.8,63.6 21.45,63.6 23.1,63.6 24.75,63.6 26.4,63.6 28.05,63.6 29.7,63.6 31.35,63.6 33,63.6 34.65,63.6 36.3,63.6 37.95,63.6 39.6,63.6 41.25,63.6 42.9,63.6 44.55,63.6 46.2,63.6 47.85,63.6 49.5,63.6 51.15,63.6 52.8,63.6 54.45,63.6 56.1,63.6 57.75,63.6 59.4,63.6 61.05,63.6 62.7,63.6 64.35,63.6 66,63.6 67.65,63.6
NetC3_1: C3.1 L1.2 R1.2 T1.1 T1.2 T1.3 T2.5 T2.6 T2.7 T2.8 U1.31 | length 38.7
  Top Layer w0.152: L1.2 36.6,54.6 v1(37.1,54.1)
  Bottom Layer w0.152: v1(37.1,54.1) 37.495,54.495 38.005,54.495 38.7,53.8 38.7,52.469 44.9,46.269 44.9,40.1 44.8,40 44.47,40 R1.2
  Bottom Layer w0.203: v1(29.9,51.9) 30.3,51.5 30.3,44.4 31.745,42.956 C3.1 32.556,42.6 33,42.6 34.15,41.45 U1.31
  other v1: 23.875,56.85 28.625,56.85 23.4,57.8 25.3,57.8 26.25,57.8 27.2,57.8 28.15,57.8 29.1,57.8 30.05,57.8 31,57.8 31.95,57.8 24.825,58.75 25.775,58.75 26.725,58.75 27.675,58.75 28.625,58.75 29.575,58.75 30.525,58.75 31.475,58.75 32.425,58.75 23.4,59.7 30.05,59.7 31,59.7 31.95,59.7 29.575,60.65 30.525,60.65 31.475,60.65 32.425,60.65
NetC3_2: C3.2 D1.1 R3.2 | length 2.4
  Bottom Layer w0.203: C3.2 33.076,43.845 R3.2@33.2,43.72 ; D1.1 R3.2@33.2,43.72 ; R3.2 R3.2@33.2,43.72
NetC4_1: C4.1 L2.2 R6.2 T3.1 T3.2 T3.3 T4.5 T4.6 T4.7 T4.8 U1.28 | length 28.6
  Top Layer w0.152: L2.2 33.9,39.2 34.9,40.2 34.9,41.4 36.2,42.7 39.6,42.7 40.505,43.605 44.474,43.605 45.369,44.5 45.8,44.5 v1(46,44.7)
  Bottom Layer w0.152: R6.2 44.47,38.2 45.1,38.2 45.6,38.7 45.6,44.3 v1(46,44.7)
  Bottom Layer w0.203: C4.1 32.7,40.9 33,40.6 v1(33,40.2) 33.25,39.95 U1.28
  other v1: 23.4,40.7 24.35,40.7 25.3,40.7 26.25,40.7 27.2,40.7 28.15,40.7 23.875,41.65 24.825,41.65 25.775,41.65 26.725,41.65 27.675,41.65 28.625,41.65 23.4,42.6 24.35,42.6 25.3,42.6 26.25,42.6 27.2,42.6 28.15,42.6 29.1,42.6 30.05,42.6 23.875,43.55 24.825,43.55 25.775,43.55 26.725,43.55 27.675,43.55 28.625,43.55 29.575,43.55 31,44.5
NetC4_2: C4.2 D2.1 R4.2 | length 2.8
  Bottom Layer w0.203: D2.1 30.8,39.8 31.92,39.8 R4.2 31.7,40.38 31.7,40.756 C4.2
NetC5_1: C5.1 L3.2 R8.2 T5.1 T5.2 T5.3 T6.5 T6.6 T6.7 T6.8 U1.21 | length 29.5
  Top Layer w0.152: L3.2 36.6,23.3 v1(37.1,22.8)
  Bottom Layer w0.152: v1(37.1,22.8) 37.1,23.1 37.295,23.295 37.926,23.295 39.4,24.769 39.4,29.169 41.205,30.974 41.205,31.335 R8.2
  Bottom Layer w0.203: v1(29,29.5) 29,33.9 31.004,35.904 32.796,35.904 33.1,35.6 33.1,35.345 C5.1 33.7,35.656 33.7,36.1 34.05,36.45 U1.21
  other v1: 23.875,25.5 24.825,25.5 25.775,25.5 26.725,25.5 27.675,25.5 23.4,26.45 24.35,26.45 25.3,26.45 26.25,26.45 27.2,26.45 29.1,26.45 30.05,26.45 31,26.45 31.95,26.45 23.875,27.4 24.825,27.4 25.775,27.4 26.725,27.4 27.675,27.4 29.575,27.4 30.525,27.4 31.475,27.4 32.425,27.4 30.05,28.35 31,28.35 31.95,28.35 30.525,29.3 31.475,29.3 32.425,29.3
NetC5_2: C5.2 D3.1 R5.2 | length 2.4
  Bottom Layer w0.203: D3.1 31.5,35.2 C5.2 32.578,34.978 32.578,34.642 R5.2
NetC20_2: C20.2 C21.2 R12.2 R14.2 U1.13 | length 13.7
  Top Layer w0.203: v1(39.2,35.2) v1(39.2,42.1)
  Bottom Layer w0.203: R14.2 C20.2 38.775,45.956 R12.2 C21.2 39.256,45.145 39.5,44.9 39.5,43 39.2,42.7 v1(39.2,42.1) ; U1.13 v1(39.2,35.2)
NetC21_1: C21.1 R14.1 U1.38 | length 3
  Bottom Layer w0.203: R14.1 38.775,44.23 C21.1 38.8,43 38.6,42.8 U1.38
NetC22_2: C22.2 R17.1 | length 1
  Bottom Layer w0.203: R17.1 39.7,33.77 C22.2
NetC23_2: C23.2 R17.2 U1.14 | length 2.6
  Bottom Layer w0.178: U1.14 38.1,34.7 38.565,34.235 38.565,33.965 R17.2 38.8,33.73 C23.2
NetC24_2: C24.2 U1.9 | length 2.6
  Bottom Layer w0.178: U1.9 40.45,37.45 41.2,36.7 C24.2
NetR3_1: R3.1 U1.33 | length 2.3
  Bottom Layer w0.203: R3.1 35.09,43.39 35.51,43.39 36.1,42.8 U1.33
NetR4_1: R4.1 U1.26 | length 2.7
  Bottom Layer w0.203: R4.1 32.82,38.42 33.35,38.95 U1.26
NetR5_1: R5.1 U1.19 | length 1.6
  Bottom Layer w0.203: R5.1 35.08,34.5 35.3,34.5 35.6,34.8 U1.19
NetR10_1: R10.1 R11.1 U1.3 | length 5.4
  Bottom Layer w0.152: U1.3 40.25,40.45 41.2,41.4 41.2,41.7 41.63,42.13 R10.1 R11.1
NetR13_1: R13.1 U1.16 | length 1.4
  Bottom Layer w0.178: R13.1 U1.16
NetR15_1: R15.1 U1.10 | length 2.8
  Bottom Layer w0.178: U1.10 40.35,36.95 41.5,35.8 R15.1
NetR16_1: R16.1 U1.36 | length 2.9
  Bottom Layer w0.152: R16.1 36.1,43.8 36.8,43.1 37.3,43.1 37.6,42.8 U1.36
NetR18_2: R18.2 U1.15 | length 1.6
  Bottom Layer w0.178: U1.15 37.6,34.5 37.9,34.2 R18.2
NetR19_2: R19.2 U1.1 | length 4.9
  Bottom Layer w0.152: U1.1 40.25,41.45 40.495,41.695 40.495,42.456 40.6,42.561 40.6,44.8 40.785,44.985 41.015,44.985 R19.2
NetR20_2: R20.2 R21.1 | length 0.7
  Bottom Layer w0.152: R21.1 41.2,44.37 R20.2
NetR21_2: R21.2 R22.1 U1.2 | length 3.8
  Bottom Layer w0.152: U1.2 40.25,40.95 40.8,41.5 40.8,42.33 R21.2 42.05,42.73 R22.1
NetR22_2: R22.2 U1.4 | length 3.1
  Bottom Layer w0.152: U1.4 40.25,39.95 41.62,41.32 R22.2
NetR23_1: R23.1 U1.17 | length 1.6
  Bottom Layer w0.178: R23.1 36.3,34.3 36.6,34.6 U1.17
NetR24_1: R24.1 R25.2 R26.2 | length 2.2
  Top Layer w0.203: v1(37,45.93) R26.2
  Bottom Layer w0.152: R25.2 v1(37,45.93) R24.1
NetR24_2: R24.2 U1.37 | length 2.8
  Bottom Layer w0.152: R24.2 37,43.8 37.2,43.6 37.8,43.6 38.1,43.3 U1.37
NetT1_4: T1.4 U1.32 | length 25.3
  Bottom Layer w0.203: v1(22.3,59.9) 25.8,56.4 28.3,56.4 34,50.7 34,43.1 34.3,42.8 35.3,42.8 35.6,42.5 U1.32
NetT2_4: T2.4 U1.30 | length 17.2
  Bottom Layer w0.203: v1(28.2,54.7) 28.8,54.1 28.8,52.1 29.9,51 29.9,44.2 32,42.1 32.8,42.1 33.95,40.95 U1.30
NetT3_4: T3.4 U1.27 | length 17.2
  Bottom Layer w0.203: v1(22.1,44.4) 22.1,40.5 23.604,38.996 31.296,38.996 31.5,39.2 32.7,39.2 32.95,39.45 U1.27
NetT4_4: T4.4 U1.29 | length 7.6
  Bottom Layer w0.203: v1(28.2,39.7) 29.3,39.7 31.204,41.604 32.696,41.604 33.85,40.45 U1.29
NetT5_4: T5.4 U1.20 | length 16.6
  Top Layer w0.203: T5.4 23.633,30.2 v1(30.8,30.2)
  Bottom Layer w0.203: v1(30.8,30.2) 33.9,33.3 33.9,34.8 34.55,35.45 U1.20
NetT6_4: T6.4 U1.22 | length 17.8
  Bottom Layer w0.203: v1(28.2,23.7) 28.2,33.8 30.696,36.296 33.196,36.296 33.85,36.95 U1.22
VWPT: C8.2 C9.2 C10.2 C11.2 C12.2 C13.2 C25.2 C26.2 C27.2 P1.1 R10.2 T1.5 T1.6 T1.7 T1.8 T3.5 T3.6 T3.7 T3.8 T5.5 T5.6 T5.7 T5.8 U1.25 | length 38.9
  Top Layer w0.152: 21.2,46.1 21.4,45.9 32.9,45.9 34.6,44.2 v1(43.1,44.2)
  Bottom Layer w0.152: v1(43.1,44.2) 43.3,44 R10.2
  Bottom Layer w0.203: v1(20.9,38) 21.504,38.604 31.096,38.604 31.3,38.4 31.3,37.9 31.6,37.6 32.8,37.6 33.65,38.45 U1.25
  other v1: 3.45,15.2 4.9,15.2 6.35,15.2 7.8,15.2 9.25,15.2 10.7,15.2 12.15,15.2 13.6,15.2 15.05,15.2 16.5,15.2 17.95,15.2 4.175,16.65 5.625,16.65 7.075,16.65 8.525,16.65 9.975,16.65 11.425,16.65 12.875,16.65 14.325,16.65 15.775,16.65 17.225,16.65 18.675,16.65 3.45,18.1 4.9,18.1 6.35,18.1 7.8,18.1 9.25,18.1 10.7,18.1 12.15,18.1 13.6,18.1 15.05,18.1 16.5,18.1 17.95,18.1 4.175,19.55 5.625,19.55 7.075,19.55 8.525,19.55 9.975,19.55 11.425,19.55 12.875,19.55 14.325,19.55 15.775,19.55 17.225,19.55 18.675,19.55 3.45,21 4.9,21 6.35,21 7.8,21 9.25,21 10.7,21 12.15,21 13.6,21 15.05,21 16.5,21 17.95,21 4.175,22.45 5.625,22.45 7.075,22.45 8.525,22.45 9.975,22.45 11.425,22.45 12.875,22.45 14.325,22.45 15.775,22.45 17.225,22.45 18.675,22.45 3.45,23.9 4.9,23.9 6.35,23.9 7.8,23.9 9.25,23.9 10.7,23.9 12.15,23.9 13.6,23.9 15.05,23.9 16.5,23.9 17.95,23.9 19.4,23.9 4.175,25.35 5.625,25.35 7.075,25.35 8.525,25.35 9.975,25.35 11.425,25.35 12.875,25.35 14.325,25.35 18.675,25.35 20.125,25.35 3.45,26.8 4.9,26.8 6.35,26.8 7.8,26.8 9.25,26.8 10.7,26.8 12.15,26.8 13.6,26.8 15.05,26.8 17.95,26.8 19.4,26.8 4.175,28.25 5.625,28.25 7.075,28.25 8.525,28.25 9.975,28.25 11.425,28.25 12.875,28.25 14.325,28.25 18.675,28.25 20.125,28.25 3.45,29.7 7.8,29.7 9.25,29.7 10.7,29.7 15.05,29.7 16.5,29.7 17.95,29.7 19.4,29.7 20.85,29.7 9.975,31.15 17.225,31.15 18.675,31.15 9.25,32.6 16.5,32.6 17.95,32.6 8.525,34.05 9.975,34.05 15.775,34.05 17.225,34.05 18.675,34.05 3.45,35.5 4.9,35.5 6.35,35.5 7.8,35.5 9.25,35.5 10.7,35.5 12.15,35.5 13.6,35.5 15.05,35.5 16.5,35.5 17.95,35.5 4.175,36.95 5.625,36.95 7.075,36.95 8.525,36.95 9.975,36.95 11.425,36.95 12.875,36.95 14.325,36.95 15.775,36.95 17.225,36.95 18.675,36.95 3.45,38.4 4.9,38.4 6.35,38.4 7.8,38.4 9.25,38.4 10.7,38.4 12.15,38.4 13.6,38.4 15.05,38.4 16.5,38.4 17.95,38.4 19.4,38.4 8.525,39.85 9.975,39.85 15.775,39.85 18.675,39.85 20.125,39.85 9.25,41.3 17.95,41.3 19.4,41.3 9.975,42.75 18.675,42.75 20.125,42.75 3.45,44.2 7.8,44.2 9.25,44.2 10.7,44.2 15.05,44.2 17.95,44.2 19.4,44.2 4.175,45.65 5.625,45.65 7.075,45.65 8.525,45.65 9.975,45.65 11.425,45.65 12.875,45.65 14.325,45.65 15.775,45.65 17.225,45.65 18.675,45.65 20.125,45.65 3.45,47.1 4.9,47.1 6.35,47.1 7.8,47.1 9.25,47.1 10.7,47.1 12.15,47.1 13.6,47.1 15.05,47.1 16.5,47.1 17.95,47.1 4.175,48.55 5.625,48.55 7.075,48.55 8.525,48.55 9.975,48.55 11.425,48.55 12.875,48.55 14.325,48.55 15.775,48.55 17.225,48.55 18.675,48.55 3.45,50 4.9,50 6.35,50 7.8,50 9.25,50 10.7,50 12.15,50 13.6,50 15.05,50 16.5,50 17.95,50 4.175,51.45 5.625,51.45 7.075,51.45 8.525,51.45 9.975,51.45 11.425,51.45 12.875,51.45 14.325,51.45 15.775,51.45 17.225,51.45 18.675,51.45 3.45,52.9 4.9,52.9 6.35,52.9 7.8,52.9 9.25,52.9 10.7,52.9 12.15,52.9 13.6,52.9 15.05,52.9 16.5,52.9 17.95,52.9 4.175,54.35 5.625,54.35 7.075,54.35 8.525,54.35 9.975,54.35 11.425,54.35 12.875,54.35 14.325,54.35 15.775,54.35 17.225,54.35 18.675,54.35 3.45,55.8 4.9,55.8 6.35,55.8 7.8,55.8 9.25,55.8 10.7,55.8 12.15,55.8 13.6,55.8 15.05,55.8 17.95,55.8 19.4,55.8 4.175,57.25 5.625,57.25 7.075,57.25 8.525,57.25 9.975,57.25 11.425,57.25 12.875,57.25 14.325,57.25 18.675,57.25 20.125,57.25 3.45,58.7 4.9,58.7 6.35,58.7 7.8,58.7 9.25,58.7 10.7,58.7 12.15,58.7 13.6,58.7 15.05,58.7 17.95,58.7 19.4,58.7 4.175,60.15 5.625,60.15 7.075,60.15 8.525,60.15 9.975,60.15 11.425,60.15 12.875,60.15 14.325,60.15 18.675,60.15 20.125,60.15
pads on no net: U1.18 U1.23 U1.34 U1.35

## Polygon pours and split planes (outlines as drawn)
LPO+ on Top Layer "Top Layer-LPO+" (solid, remove dead copper, pour order 66): 40.8,42.1 41.6,42.9 45.9,42.9 47.6,44.6 52.8,44.6 53.4,45.2 53.4,50.6 52.6,51.4 41.1,51.4 40.8,51.7 40.8,59.3 42,60.5 66.8,60.5 66.8,20 40.5,20 40.2,20.3 40.2,28.9 41.2,29.9 53.2,29.9 53.2,35.3 52.6,35.9 41.1,35.9 40.8,36.2
LPO- on Top Layer "LPO-_L01_P071" (solid, remove dead copper, pour order 71): 0,0 69.7,0 69.7,65 0,65
VWPT on Top Layer "VWPT_L01_P065" (solid, remove dead copper, pour order 65): 21.9,14.5 21.9,21.9 21.3,22.5 21.3,23.7 20.9,24.1 20.9,29.1 21.9,30.1 21.9,37.6 21.3,38.2 21.3,39.4 20.9,39.8 20.9,44.8 21.9,45.8 21.9,53.2 21.3,53.8 21.3,55 20.9,55.4 20.9,61.2 3.1,61.2 3.1,14.5
NetC4_1 on Top Layer "NETC4_1_L01_P062" (solid, remove dead copper, pour order 62): 21.3,43.3 21.6,43.6 22.7,43.6 23.4,44.3 23.4,45.1 23.8,45.5 32.8,45.5 33.3,45 33.3,35.9 29.7,35.9 29,36.6 29,39.9 28.6,40.3 23.4,40.3 22.8,39.7 21.7,39.7 21.3,40.1
NetC3_1 on Top Layer "NETC3_1_L01_P061" (solid, remove dead copper, pour order 61): 21.2,59.1 21.5,59.4 22.6,59.4 23.069,59.869 23.069,60.669 23.7,61.3 32.9,61.3 32.9,51.4 29.9,51.4 29.2,52.1 29.2,55.4 28.5,56.1 23.3,56.1 22.7,55.5 21.6,55.5 21.2,55.9
NetC5_1 on Top Layer "NETC5_1_L01_P060" (solid, remove dead copper, pour order 60): 21.3,27.6 21.6,27.9 22.7,27.9 23.4,28.6 23.4,29.4 23.8,29.8 33,29.8 33,20 29.5,20 29.3,20.2 29.3,23.9 28.6,24.6 23.4,24.6 22.8,24 21.7,24 21.3,24.4
LPO- on Layer 2 "LPO-_L03_P085" (solid, remove dead copper, pour order 85): 0,0 0,65 69.7,65 69.7,0
VWPT on Layer 2 "VWPT_L03_P083" (solid, remove dead copper, pour order 83): 21.9,14.5 21.9,21.9 21.3,22.5 21.3,23.7 20.9,24.1 20.9,29.1 21.9,30.1 21.9,37.6 21.3,38.2 21.3,39.4 20.9,39.8 20.9,44.8 21.9,45.8 21.9,53.2 21.3,53.8 21.3,55 20.9,55.4 20.9,61.2 3,61.2 3,14.5
LPO+ on Layer 2 "LPO+_L03_P081" (solid, remove dead copper, pour order 81): 40.8,41.8 41.3,42.3 46,42.3 48.3,44.6 52.8,44.6 53.4,45.2 53.4,50.6 52.6,51.4 41.1,51.4 40.8,51.7 40.8,59.3 42,60.5 66.8,60.5 66.8,20 40.5,20 40.2,20.3 40.2,28.9 41.2,29.9 52.1,29.9 53.1,30.9 53.1,35.4 52.6,35.9 41.1,35.9 40.8,36.2
NetC3_1 on Layer 2 "NETC3_1_L03_P079" (solid, remove dead copper, pour order 79): 21.2,59.1 21.4,59.3 22.8,59.3 23.1,59.6 23.1,60.7 23.7,61.3 32.9,61.3 32.9,51.4 29.9,51.4 29.2,52.1 29.2,55.4 28.5,56.1 23.3,56.1 22.7,55.5 21.6,55.5 21.2,55.9
NetC5_1 on Layer 2 "NETC5_1_L03_P077" (solid, remove dead copper, pour order 77): 21.3,27.6 21.6,27.9 22.7,27.9 23.4,28.6 23.4,29.4 23.8,29.8 33,29.8 33,20 29.5,20 29.3,20.2 29.3,23.9 28.6,24.6 23.4,24.6 22.8,24 21.7,24 21.3,24.4
NetC4_1 on Layer 2 "NETC4_1_L03_P073" (solid, remove dead copper, pour order 73): 21.3,43.3 21.6,43.6 22.7,43.6 23.4,44.3 23.4,45.1 23.8,45.5 32.8,45.5 33.3,45 33.3,35.9 29.7,35.9 29,36.6 29,39.9 28.6,40.3 23.4,40.3 22.8,39.7 21.7,39.7 21.3,40.1
LPO- on Layer 1 "LPO-_L02_P068" (solid, remove dead copper, pour order 68): 0,0 0,65 69.7,65 69.7,0
LPO- on Bottom Layer "LPO-_L04_P087" (solid, remove dead copper, pour order 87): 0,0 0,65 69.7,65 69.7,0
LPO+ on Bottom Layer "LPO+_L04_P091" (solid, remove dead copper, pour order 91): 46.85,43.45 46.3,42.9 46.3,35.9 52.6,35.9 53.1,35.4 53.1,30.9 52.1,29.9 41.2,29.9 40.2,28.9 40.2,20.3 40.5,20 66.8,20 66.8,60.5 42,60.5 40.8,59.3 40.8,51.7 41.1,51.4 52.6,51.4 53.4,50.6 53.4,45.2 52.8,44.6 48,44.6
VWPT on Bottom Layer "VWPT_L04_P089" (solid, remove dead copper, pour order 89): 21.9,14.5 21.9,21.9 21.3,22.5 21.3,23.7 20.9,24.1 20.9,29.1 21.9,30.1 21.9,37.6 21.3,38.2 21.3,39.4 20.9,39.8 20.9,44.8 21.9,45.8 21.9,53.2 21.3,53.8 21.3,55 20.9,55.4 20.9,61.2 3.1,61.2 3.1,14.5

## Keep-outs
Keep-Out Layer:
  the board outline again, w0.508

## Other copper
Top Layer:
  pour cut-out: 49.7,45.8 49.9,46 49.9,46.2 50,46.3 50.4,46.3 50.5,46.2 50.5,45.5 50.3,45.3 43.14,45.3 43.14,45.8
  pour cut-out: 23,29.5 21.4,29.5 21,29.1 21,28.1 21.2,27.9 22.731,27.9 23,28.169
  pour cut-out: 23.069,60.9 21.269,60.9 21.069,60.7 21.069,59.5 21.269,59.3 22.8,59.3 23.069,59.569
  pour cut-out: 27.6,56 27.6,54.2 27.8,54 29,54 29.2,54.2 29.2,55.374 28.574,56
  pour cut-out: 27.4,40.3 27.4,38.5 27.6,38.3 28.8,38.3 29,38.5 29,39.674 28.374,40.3
  pour cut-out: 27.5,24.4 27.5,22.6 27.7,22.4 28.9,22.4 29.1,22.6 29.1,23.774 28.474,24.4
Bottom Layer:
  pour cut-out: 32.7,43.3 37.8,43.3 39.65,41.45 39.65,35.32 38.565,34.235 34.465,34.235 32.7,36
  pour cut-out: 41.662,45.657 42.692,45.657 42.873,45.839 43.284,45.839 43.47,45.653 43.47,45.347 42.98,44.857 41.662,44.953
Multi-Layer:
  pour cut-out: 42.7,45.5 cw(c43.1,45.5) 43.1,45.9 cw(c43.1,45.5) 43.5,45.5 cw(c43.1,45.5) 43.1,45.1 cw(c43.1,45.5) 42.7,45.5
  pour cut-out: 41.9,45.9

## Text inside footprints (layer, text, board x,y; h text height)
C14: Top Overlay "+" at 45.53,23.936 h0.86 r180
C15: Top Overlay "+" at 48.07,23.464 h0.86
C16: Top Overlay "+" at 45.53,40.736 h0.86 r180
C17: Top Overlay "+" at 52.97,40.464 h0.86
C18: Top Overlay "+" at 50.43,23.936 h0.86 r180
C19: Top Overlay "+" at 50.43,40.736 h0.86 r180
C29: Top Overlay "+" at 48.07,40.464 h0.86
C30: Top Overlay "+" at 52.97,23.464 h0.86
C31: Top Overlay "+" at 48.07,57.364 h0.86